# KiCad board mainboard.kicad_pcb (continued)
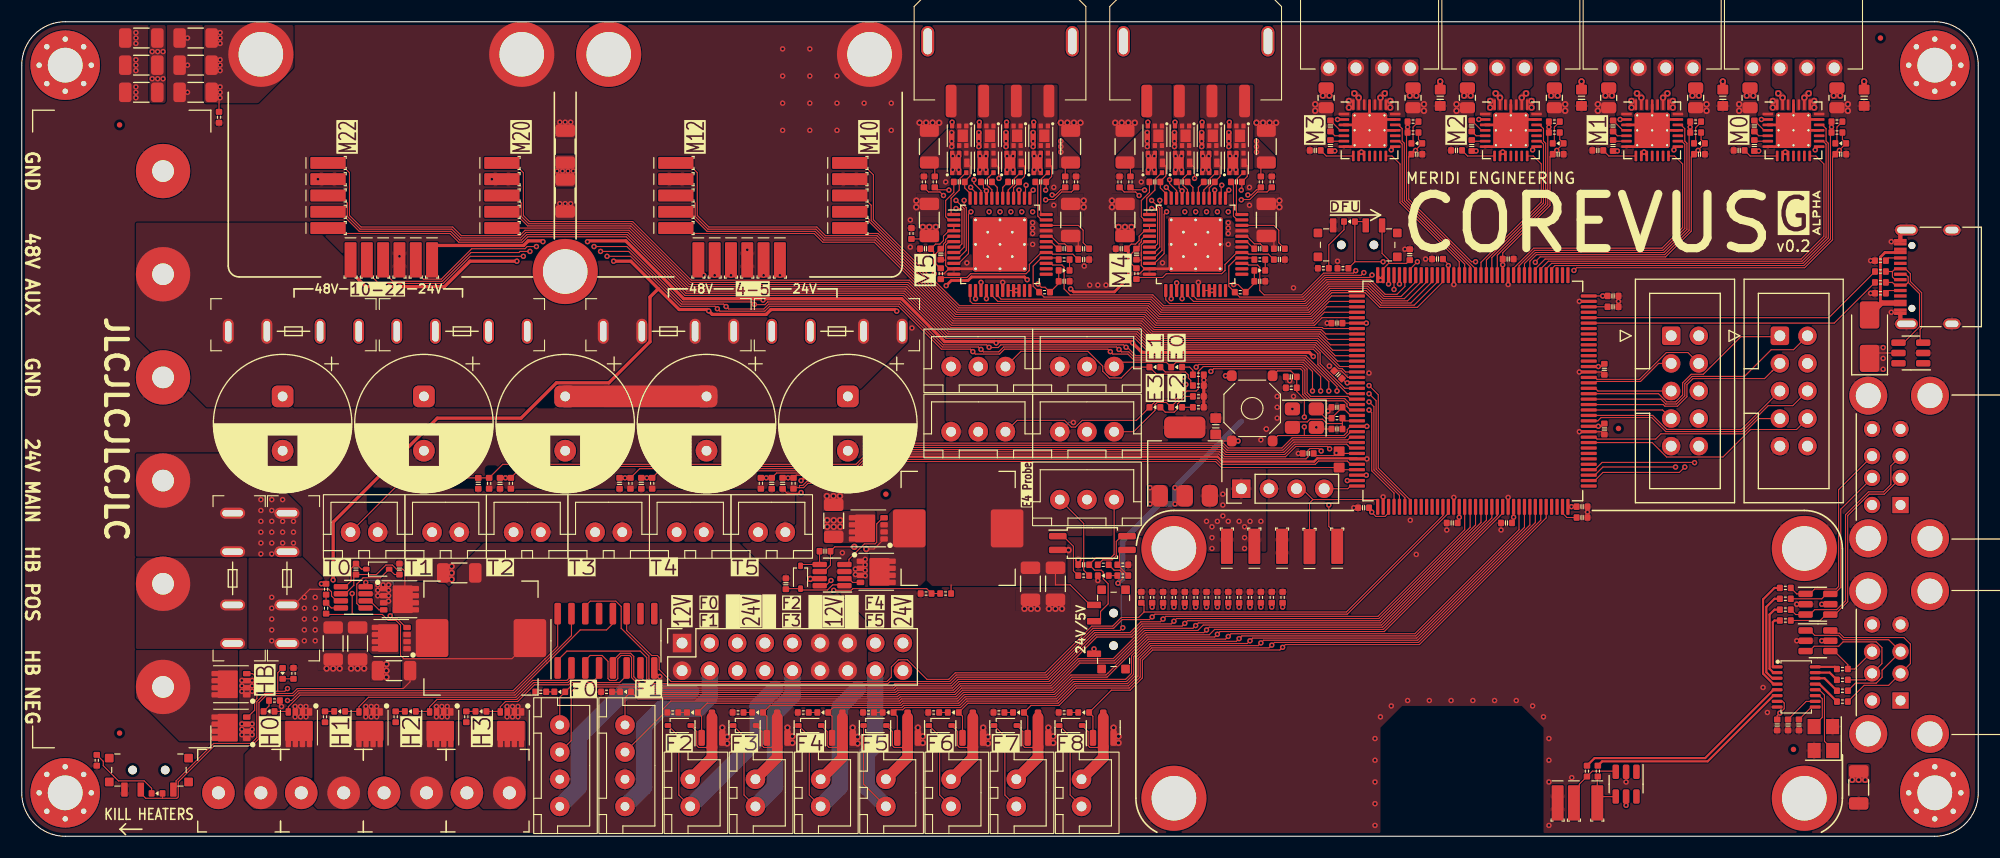
[diagram p0: board, top side]
## Footprints (pads in the part's own frame, mm; a bottom-side part is the same pattern mirrored in y, then rotated)
0402C
  rrect 0.55x0.6 smd: 1(-0.5,0) 2(0.5,0)
0402LED
  rrect 0.55x0.6 smd: 1(-0.5,0) 2(0.5,0)
0402R
  rrect 0.55x0.6 smd: 1(-0.5,0) 2(0.5,0)
0603
  rrect 0.9x1 smd: 1(-0.75,0) 2(0.75,0)
0603C
  rrect 0.9x1 smd: 1(-0.75,0) 2(0.75,0)
C_1206_3216Metric
  rrect 1.15x1.8 smd: 1(-1.475,0) 2(1.475,0)
CJiang_FXL1040
  rrect 3x3.5 smd: 1(-4.5,0) 2(4.5,0)
CP_Radial_D12.5mm_P5.00mm
  rrect 2x2 hole 0.9: 1(0,2.5)
  round 2 hole 0.9: 2(0,-2.5)
Crystal_SMD_3225-4Pin_3.2x2.5mm
  rect 1.4x1.2 smd: 1(-1.1,-0.85) 2(1.1,-0.85) 3(1.1,0.85) 4(-1.1,0.85)
Crystal_SMD_3225-4Pin_3.2x2.5mm#2
  rrect 1.4x1.2 smd: 1(-1.1,-0.85) 2(1.1,-0.85) 3(1.1,0.85) 4(-1.1,0.85)
D_SMA
  rrect 2.5x1.8 smd: 1(-2,0) 2(2,0)
D_SOD-323
  rrect 0.6x0.45 smd: 1(-1.05,0) 2(1.05,0)
DB125-3.81-2P
  round 3 hole 1.2: 1(-1.905,0) 2(2,0)
DBT50G-9.5-6P
  round 5 hole 2: 1(-23.75,0) 2(-14.25,0) 3(-4.75,0) 4(4.75,0) 5(14.25,0) 6(23.75,0)
DMT6016LFDF
  rrect 0.4x0.45 smd: 1(-0.65,-0.9) 2(0,-0.9) 3(0.65,-0.9) 4(0.65,0.9) 5(0,0.9) 6(-0.65,0.9)
  rrect 0.5x0.8 smd: 7(0.7,0)
  rrect 0.95x1.15 smd: 8(-0.325,0)
Fiducial_0.5mm_Mask1mm
  round 0.5 smd: (0,0)
IDC-Header_2x05_P2.54mm_Vertical
  rrect 1.7x1.7 hole 1: 1(0,0)
  round 1.7 hole 1: 2(2.54,0) 3(0,-2.54) 4(2.54,-2.54) 5(0,-5.08) 6(2.54,-5.08) 7(0,-7.62) 8(2.54,-7.62) 9(0,-10.16) 10(2.54,-10.16)
JST_XH_1x02
  oval 1.8x1.8 hole 0.9: 1(-1.25,0) 2(1.25,0)
JST_XH_1x03
  oval 1.8x1.8 hole 0.9: 1(-2.5,0) 2(0,0) 3(2.5,0)
JST_XH_1x04
  oval 1.8x1.8 hole 0.8: 1(-3.75,0) 2(-1.25,0) 3(1.25,0) 4(3.75,0)
JST_XH_1x04-Side
  round 1.5 hole 1: 1(3.75,0) 2(1.25,0) 3(-1.25,0) 4(-3.75,0)
LGA_Spring
  rrect 0.9x1.4 smd: (0,-0.25) (0,-1.9)
  rrect 1.1x3.25 smd: 1(0,-0.25)
LQFP-144_20x20mm_P0.5mm
  rrect 1.475x0.3 smd: 1(-10.662,8.75) 2(-10.662,8.25) 3(-10.662,7.75) 4(-10.662,7.25) 5(-10.662,6.75) 6(-10.662,6.25) 7(-10.662,5.75) 8(-10.662,5.25) 9(-10.662,4.75) 10(-10.662,4.25) 11(-10.662,3.75) 12(-10.662,3.25) 13(-10.662,2.75) 14(-10.662,2.25) 15(-10.662,1.75) 16(-10.662,1.25) 17(-10.662,0.75) 18(-10.662,0.25) 19(-10.662,-0.25) 20(-10.662,-0.75) 21(-10.662,-1.25) 22(-10.662,-1.75) 23(-10.662,-2.25) 24(-10.662,-2.75) 25(-10.662,-3.25) 26(-10.662,-3.75) 27(-10.662,-4.25) 28(-10.662,-4.75) 29(-10.662,-5.25) 30(-10.662,-5.75) 31(-10.662,-6.25) 32(-10.662,-6.75) 33(-10.662,-7.25) 34(-10.662,-7.75) 35(-10.662,-8.25) 36(-10.662,-8.75) 73(10.662,-8.75) 74(10.662,-8.25) 75(10.662,-7.75) 76(10.662,-7.25) 77(10.662,-6.75) 78(10.662,-6.25) 79(10.662,-5.75) 80(10.662,-5.25) 81(10.662,-4.75) 82(10.662,-4.25) 83(10.662,-3.75) 84(10.662,-3.25) 85(10.662,-2.75) 86(10.662,-2.25) 87(10.662,-1.75) 88(10.662,-1.25) 89(10.662,-0.75) 90(10.662,-0.25) 91(10.662,0.25) 92(10.662,0.75) 93(10.662,1.25) 94(10.662,1.75) 95(10.662,2.25) 96(10.662,2.75) 97(10.662,3.25) 98(10.662,3.75) 99(10.662,4.25) 100(10.662,4.75) 101(10.662,5.25) 102(10.662,5.75) 103(10.662,6.25) 104(10.662,6.75) 105(10.662,7.25) 106(10.662,7.75) 107(10.662,8.25) 108(10.662,8.75)
  rrect 0.3x1.475 smd: 37(-8.75,-10.662) 38(-8.25,-10.662) 39(-7.75,-10.662) 40(-7.25,-10.662) 41(-6.75,-10.662) 42(-6.25,-10.662) 43(-5.75,-10.662) 44(-5.25,-10.662) 45(-4.75,-10.662) 46(-4.25,-10.662) 47(-3.75,-10.662) 48(-3.25,-10.662) 49(-2.75,-10.662) 50(-2.25,-10.662) 51(-1.75,-10.662) 52(-1.25,-10.662) 53(-0.75,-10.662) 54(-0.25,-10.662) 55(0.25,-10.662) 56(0.75,-10.662) 57(1.25,-10.662) 58(1.75,-10.662) 59(2.25,-10.662) 60(2.75,-10.662) 61(3.25,-10.662) 62(3.75,-10.662) 63(4.25,-10.662) 64(4.75,-10.662) 65(5.25,-10.662) 66(5.75,-10.662) 67(6.25,-10.662) 68(6.75,-10.662) 69(7.25,-10.662) 70(7.75,-10.662) 71(8.25,-10.662) 72(8.75,-10.662) 109(8.75,10.662) 110(8.25,10.662) 111(7.75,10.662) 112(7.25,10.662) 113(6.75,10.662) 114(6.25,10.662) 115(5.75,10.662) 116(5.25,10.662) 117(4.75,10.662) 118(4.25,10.662) 119(3.75,10.662) 120(3.25,10.662) 121(2.75,10.662) 122(2.25,10.662) 123(1.75,10.662) 124(1.25,10.662) 125(0.75,10.662) 126(0.25,10.662) 127(-0.25,10.662) 128(-0.75,10.662) 129(-1.25,10.662) 130(-1.75,10.662) 131(-2.25,10.662) 132(-2.75,10.662) 133(-3.25,10.662) 134(-3.75,10.662) 135(-4.25,10.662) 136(-4.75,10.662) 137(-5.25,10.662) 138(-5.75,10.662) 139(-6.25,10.662) 140(-6.75,10.662) 141(-7.25,10.662) 142(-7.75,10.662) 143(-8.25,10.662) 144(-8.75,10.662)
M3_M2.5_PCB_Nut
  round 4.6 hole 4.1: 1(0,0)
  round 6 smd: 1(0,0)
MOSFET_DFN8
  rrect 0.5x0.7 smd: 1(-0.975,-1.45) 2(-0.325,-1.45) 3(0.325,-1.45) 4(0.975,-1.45) 5(0.975,1.45) 6(0.325,1.45) 7(-0.325,1.45) 8(-0.975,1.45)
  rrect 2.55x1.85 smd: 8(0,0.3)
MountingHole_3.2mm_M3_Pad_Via
  round 0.8 hole 0.5: 1(-2.4,0) 1(-1.697,1.697) 1(-1.697,-1.697) 1(0,2.4) 1(0,-2.4) 1(1.697,1.697) 1(1.697,-1.697) 1(2.4,0)
  round 6.4 hole 3.2: 1(0,0)
MSS12C02-LS
  rrect 0.8x0.8 smd: (-3.65,1.1) (-3.65,-1.1) (3.65,1.1) (3.65,-1.1)
  round 0.9 hole 0.8 unplated: (-1.5,0) (1.5,0)
  rrect 0.6x1.3 smd: 1(-2.25,1.8) 2(0.75,1.8) 3(2.25,1.8)
NetTie-2_SMD_Pad0.1mm
  round 0.1 smd: 1(-0.1,0) 2(0.1,0)
PinHeader_1x04_P2.54mm_Vertical
  rect 1.7x1.7 hole 1: 1(0,0)
  oval 1.7x1.7 hole 1: 2(0,-2.54) 3(0,-5.08) 4(0,-7.62)
PinSocket_2x09_P2.54mm_Vertical
  rect 1.7x1.7 hole 1: 1(0,0)
  oval 1.7x1.7 hole 1: 2(-2.54,0) 3(0,-2.54) 4(-2.54,-2.54) 5(0,-5.08) 6(-2.54,-5.08) 7(0,-7.62) 8(-2.54,-7.62) 9(0,-10.16) 10(-2.54,-10.16) 11(0,-12.7) 12(-2.54,-12.7) 13(0,-15.24) 14(-2.54,-15.24) 15(0,-17.78) 16(-2.54,-17.78) 17(0,-20.32) 18(-2.54,-20.32)
R_0805_2012Metric
  rrect 1.025x1.4 smd: 1(-0.912,0) 2(0.912,0)
R_1206_3216Metric
  rrect 1.125x1.75 smd: 1(-1.462,0) 2(1.462,0)
SL2.1S
  rrect 0.3x1 smd: 1(-1.85,-1.75) 2(-1.32,-1.75) 3(-0.8,-1.75) 4(-0.26,-1.75) 5(0.26,-1.75) 6(0.8,-1.75) 7(1.33,-1.75) 8(1.85,-1.75) 9(1.85,1.75) 10(1.33,1.75) 11(0.8,1.75) 12(0.26,1.75) 13(-0.26,1.75) 14(-0.8,1.75) 15(-1.32,1.75) 16(-1.85,1.75)
SOP-4_4.4x2.6mm_P1.27mm
  rrect 1.625x0.6 smd: 1(-3.188,0.635) 2(-3.188,-0.635) 3(3.188,-0.635) 4(3.188,0.635)
SOP-16_3.9x9.9mm_P1.27mm
  rrect 2x0.6 smd: 1(-2.5,4.445) 2(-2.5,3.175) 3(-2.5,1.905) 4(-2.5,0.635) 5(-2.5,-0.635) 6(-2.5,-1.905) 7(-2.5,-3.175) 8(-2.5,-4.445) 9(2.5,-4.445) 10(2.5,-3.175) 11(2.5,-1.905) 12(2.5,-0.635) 13(2.5,0.635) 14(2.5,1.905) 15(2.5,3.175) 16(2.5,4.445)
SOT-23
  rrect 1.475x0.6 smd: 1(-0.938,0.95) 2(-0.938,-0.95) 3(0.938,0)
SOT-23-6
  rrect 1.325x0.6 smd: 1(-1.137,0.95) 2(-1.137,0) 3(-1.137,-0.95) 4(1.137,-0.95) 5(1.137,0) 6(1.137,0.95)
SOT-223-3_TabPin2
  rrect 2x1.5 smd: 1(-3.15,2.3) 2(-3.15,0) 3(-3.15,-2.3)
  rrect 2x3.8 smd: 2(3.15,0)
TMC220x
  rrect 1.41x1.41 smd: (-0.81,0.81) (-0.81,-0.81) (0.81,0.81) (0.81,-0.81)
  rrect 0.975x0.25 smd: 1(-2.362,1.5) 2(-2.362,1) 3(-2.362,0.5) 4(-2.362,0) 5(-2.362,-0.5) 6(-2.362,-1) 7(-2.362,-1.5) 15(2.362,-1.5) 16(2.362,-1) 17(2.362,-0.5) 18(2.362,0) 19(2.362,0.5) 20(2.362,1) 21(2.362,1.5)
  rrect 0.25x0.975 smd: 8(-1.5,-2.362) 9(-1,-2.362) 10(-0.5,-2.362) 11(0,-2.362) 12(0.5,-2.362) 13(1,-2.362) 14(1.5,-2.362) 22(1.5,2.362) 23(1,2.362) 24(0.5,2.362) 25(0,2.362) 26(-0.5,2.362) 27(-1,2.362) 28(-1.5,2.362)
  round 0.5 hole 0.2: 29(-1.375,1.375) 29(-1.375,0) 29(-1.375,-1.375) 29(0,1.375) 29(0,0) 29(0,-1.375) 29(1.375,1.375) 29(1.375,0) 29(1.375,-1.375)
  rrect 3.25x3.25 smd: 29(0,0)
TMCx160
  custom 1.008x1.008 smd: (-1.688,1.688) (-1.688,0.562) (-1.688,-0.562) (-1.688,-1.688) (-0.562,1.688) (-0.562,0.562) (-0.562,-0.562) (-0.562,-1.688) (0.562,1.688) (0.562,0.562) (0.562,-0.562) (0.562,-1.688) (1.688,1.688) (1.688,0.562) (1.688,-0.562) (1.688,-1.688)
  rrect 1.2x0.3 smd: 1(-4.25,2.75) 2(-4.25,2.25) 3(-4.25,1.75) 4(-4.25,1.25) 5(-4.25,0.75) 6(-4.25,0.25) 7(-4.25,-0.25) 8(-4.25,-0.75) 9(-4.25,-1.25) 10(-4.25,-1.75) 11(-4.25,-2.25) 12(-4.25,-2.75) 25(4.25,-2.75) 26(4.25,-2.25) 27(4.25,-1.75) 28(4.25,-1.25) 29(4.25,-0.75) 30(4.25,-0.25) 31(4.25,0.25) 32(4.25,0.75) 33(4.25,1.25) 34(4.25,1.75) 35(4.25,2.25) 36(4.25,2.75)
  rrect 0.3x1.2 smd: 13(-2.75,-4.25) 14(-2.25,-4.25) 15(-1.75,-4.25) 16(-1.25,-4.25) 17(-0.75,-4.25) 18(-0.25,-4.25) 19(0.25,-4.25) 20(0.75,-4.25) 21(1.25,-4.25) 22(1.75,-4.25) 23(2.25,-4.25) 24(2.75,-4.25) 37(2.75,4.25) 38(2.25,4.25) 39(1.75,4.25) 40(1.25,4.25) 41(0.75,4.25) 42(0.25,4.25) 43(-0.25,4.25) 44(-0.75,4.25) 45(-1.25,4.25) 46(-1.75,4.25) 47(-2.25,4.25) 48(-2.75,4.25)
  round 0.5 hole 0.25: 49(-2.25,2.25) 49(-2.25,0) 49(-2.25,-2.25) 49(-1.125,1.125) 49(-1.125,-1.125) 49(0,2.25) 49(0,0) 49(0,-2.25) 49(1.125,1.125) 49(1.125,-1.125) 49(2.25,2.25) 49(2.25,0) 49(2.25,-2.25)
  rrect 5x5 smd: 49(0,0)
TSOT-23-8
  rrect 1.325x0.5 smd: 1(-1.137,0.975) 2(-1.137,0.325) 3(-1.137,-0.325) 4(-1.137,-0.975) 5(1.137,-0.975) 6(1.137,-0.325) 7(1.137,0.325) 8(1.137,0.975)
USB_Type-A_x2
  rect 1.5x1.5 hole 0.92: 1(3.5,2.62)
  round 1.5 hole 0.92: 2(1,2.62) 3(-1,2.62) 4(-3.5,2.62) 5(3.5,0) 6(1,0) 7(-1,0) 8(-3.5,0)
  round 3.5 hole 2.3: 9(-6.57,5.33) 9(-6.57,-0.35) 9(6.57,5.33) 9(6.57,-0.35)
USB_Type-C_16p
  round 0.65 hole 0.65 unplated: (-2.89,2.605) (2.89,2.605)
  rect 0.3x1.15 smd: A1(-3.35,3.67) A4(-2.55,3.67) A5(-1.25,3.67) A6(-0.25,3.67) A7(0.25,3.67) A8(1.25,3.67) A9(2.55,3.67) A12(3.35,3.67) B1(3.05,3.67) B4(2.25,3.67) B5(1.75,3.67) B6(0.75,3.67) B7(-0.75,3.67) B8(-1.75,3.67) B9(-2.25,3.67) B12(-3.05,3.67)
  oval 1x2.1 hole 0.6x1.7: S1(-4.32,3.105) S1(4.32,3.105)
  oval 1x1.6 hole 0.6x1.2: S1(-4.32,-1.075) S1(4.32,-1.075)
XF-505P
  oval 1x2.3 hole 0.6x1.9: 1(-6,0) 1(-2.45,0) 2(2.45,0) 2(6,0)
XKB_TS-1187A
  rrect 1x0.9 smd: 1(-3,1.875) 1(3,1.875) 2(-3,-1.875) 2(3,-1.875)
XKB_X3025WRS-04C
  rrect 1x3 smd: 1(-4.5,-5.5) 2(-1.5,-5.5) 3(1.5,-5.5) 4(4.5,-5.5)
  oval 1.2x2.8 hole 0.8x2.4: 5(6.65,0) 6(-6.65,0)

## Nets
+3.3V: C11.1 C15.1 C18.1 C23.1 C28.1 C33.1 C41.2 C44.1 C46.1 C53.1 C56.2 C59.1 C61.1 C79.1 C80.1 C81.1 C82.1 C83.1 C84.1 C85.1 D19.2 D20.2 D21.2 D22.2 D23.2 D24.2 FB1.1 J4.3 J5.3 J6.3 J15.3 R12.2 R19.1 R25.2 R52.2 R55.2 R97.1 R100.1 R102.1 R104.2 R105.1 R106.1 R107.1 SW1.3 T6.1 T22.1 U1.6 U1.17 U1.30 U1.39 U1.52 U1.62 U1.72 U1.84 U1.95 U1.108 U1.121 U1.131 U1.143 U1.144 U6.2 U7.9 U7.10 U7.15 U8.9 U8.10 U8.15 U9.9 U9.10 U9.15 U10.9 U10.10 U10.15 U11.20 U11.21 U11.22 U12.20 U12.21 U12.22 U14.1
+5V: C96.1 C97.1 C98.1 C99.1 D3.1 J13.10 J24.1 J26.1 J26.5 J27.1 J27.5 J28.10 L2.2 R95.2 SW2.3 T33.1 T34.1 U2.5 U3.5 U4.5 U6.3 U13.7 U16.5
+12V: C45.2 C60.2 C90.1 C91.1 J36.1 J36.2 J36.11 J36.12 J36.13 J36.14 L1.2 R93.2 SW9.1 T1.1 T17.1 U11.3 U11.4 U12.3 U12.4
+24V: C12.1 C20.2 C22.2 C25.2 C27.2 C30.2 C32.2 C35.2 C37.2 C86.1 C87.1 C92.1 D38.1 D39.1 D41.1 F6.2 J20.1 J21.1 J22.1 J23.1 J33.1 J34.1 J35.1 J36.5 J36.6 J36.7 J36.8 J36.17 J36.18 Q35.5 Q35.6 Q35.7 Q35.8 Q37.5 Q37.6 Q37.7 Q37.8 SW2.1 U5.7 U7.22 U7.28 U8.22 U8.28 U9.22 U9.28 U10.22 U10.28 U15.7
GND: C1.1 C2.1 C3.2 C4.2 C5.2 C11.2 C12.2 C13.2 C14.2 C15.2 C16.2 C17.2 C18.2 C19.1 C22.1 C23.2 C24.1 C27.1 C28.2 C29.1 C32.1 C33.2 C34.1 C37.1 C38.2 C41.1 C42.1 C43.1 C44.2 C45.1 C46.2 C51.2 C52.2 C53.2 C56.1 C57.1 C58.1 C59.2 C60.1 C61.2 C66.2 C67.2 C68.2 C69.2 C70.2 C71.2 C72.2 C73.2 C74.2 C75.2 C76.2 C79.2 C80.2 C81.2 C82.2 C83.2 C84.2 C85.2 C86.2 C87.2 C88.2 C90.2 C91.2 C92.2 C93.2 C94.2 C96.2 C97.2 C98.2 C99.2 D49.1 H6.1 H8.1 H9.1 H10.1 H11.1 H12.1 J1.A1 J1.A12 J1.B1 J1.B12 J1.S1 J2.2 J3.1 J3.3 J4.2 J5.2 J6.2 J13.9 J14.2 J15.2 J16.2 J24.2 J26.4 J26.8 J26.9 J27.4 J27.8 J27.9 J28.9 NT1.1 OC1.2 Q1.1 Q1.2 Q1.3 Q2.1 Q2.2 Q2.3 Q22.2 Q23.1 Q23.2 Q23.3 Q24.1 Q24.2 Q24.3 Q25.1 Q25.2 Q25.3 Q26.1 Q26.2 Q26.3 Q27.2 Q28.2 Q29.2 Q30.2 Q31.2 Q32.2 Q34.1 Q34.2 Q34.3 Q36.1 Q36.2 Q36.3 R1.2 R2.1 R6.1 R7.1 R8.2 R9.2 R11.2 R13.2 R14.2 R20.2 R21.2 R23.2 R24.2 R26.2 R27.2 R29.2 R30.2 R31.2 R34.1 R35.2 R37.1 R38.2 R39.2 R42.1 R43.2 R45.1 R46.2 R47.2 R48.2 R49.2 R50.2 R53.1 R54.2 R57.2 R58.2 R59.2 R60.2 R61.2 R62.2 R63.2 R64.2 R65.2 R66.2 R67.2 R68.2 R71.2 R72.2 R73.2 R74.2 R83.2 R84.2 R85.2 R92.2 R94.2 SW1.1 SW3.1 SW9.3 T3.1 T9.1 T10.1 T19.1 T25.1 T26.1 T35.1 T44.1 U1.16 U1.38 U1.51 U1.61 U1.83 U1.94 U1.107 U1.120 U1.130 U2.2 U3.2 U4.2 U5.3 U6.1 U7.3 U7.7 U7.18 U7.20 U7.25 U7.29 U8.3 U8.7 U8.18 U8.20 U8.25 U8.29 U9.3 U9.7 U9.18 U9.20 U9.25 U9.29 U10.3 U10.7 U10.18 U10.20 U10.25 U10.29 U11.6 U11.11 U11.12 U11.19 U11.30 U11.49 U12.6 U12.11 U12.12 U12.19 U12.30 U12.49 U13.8 U14.8 U15.3 U16.2 Y1.2 Y1.4 Y2.2 Y2.4
VDDA: FB1.2 NT2.1 R15.2 R16.2 R17.2 R18.2 R51.2 R56.2 U1.33
VSSA: C6.1 C7.1 C8.1 C9.1 C77.1 C78.1 J7.1 J8.1 J9.1 J10.1 J11.1 J12.1 NT1.2 U1.31
/_{M0}Dir: U1.113 U7.19
/_{M0}Step: U1.114 U7.16
/_{M0}UART: U1.115 U7.14
/_{M0}~{En}: R22.2 R97.2 U1.112 U7.2
/_{M1}Dir: U1.117 U8.19
/_{M1}Step: U1.118 U8.16
/_{M1}UART: U1.119 U8.14
/_{M1}~{En}: R28.2 R100.2 U1.116 U8.2
/_{M2}Dir: U1.123 U9.19
/_{M2}Step: U1.124 U9.16
/_{M2}UART: U1.125 U9.14
/_{M2}~{En}: R101.2 R102.2 U1.122 U9.2
/_{M3}Dir: U1.127 U10.19
/_{M3}Step: U1.128 U10.16
/_{M3}UART: U1.129 U10.14
/_{M3}~{En}: R103.2 R105.2 U1.126 U10.2
/_{M4}Diag1: U1.140 U11.27
/_{M4}Dir: U1.142 U11.18
/_{M4}Step: U1.139 U11.17
/_{M4}~{CS}: U1.137 U11.13
/_{M4}~{En}: R98.2 R106.2 U1.141 U11.28
/_{M5}Diag1: U1.136 U12.27
/_{M5}Dir: U1.134 U12.18
/_{M5}Step: U1.133 U12.17
/_{M5}~{CS}: U1.132 U12.13
/_{M5}~{En}: R99.2 R107.2 U1.135 U12.28
/_{M10}Dir: T14.1 U1.2
/_{M10}Step: T12.1 U1.1
/_{M10}~{CS}: T8.1 U1.4
/_{M10}~{En}: T16.1 U1.3
/_{M12}Dir: T13.1 U1.7
/_{M12}Step: T11.1 U1.5
/_{M12}~{CS}: T7.1 U1.9
/_{M12}~{En}: T15.1 U1.8
/_{M20}Dir: T30.1 U1.11
/_{M20}Step: T28.1 U1.10
/_{M20}~{CS}: T24.1 U1.13
/_{M20}~{En}: T32.1 U1.12
/_{M22}Dir: T29.1 U1.15
/_{M22}Step: T27.1 U1.14
/_{M22}~{CS}: T23.1 U1.19
/_{M22}~{En}: T31.1 U1.18
/Bed_H+: F3.2 J3.5
/Bed_H-: J3.6 Q1.5 Q1.6 Q1.7 Q1.8 Q2.5 Q2.6 Q2.7 Q2.8
/BOOT0: D1.2 R1.1 SW1.2 U1.138
/Btn_En1: J28.5 U1.91
/Btn_En2: J28.3 U1.92
/Btn_Enc: J13.2 U1.89
/Buzzer: J13.1 U1.90
/E0: D6.1 J4.1 U1.40
/E1: D7.1 J5.1 U1.20
/E2: D8.1 J6.1 U1.21
/E3: D25.1 J15.1 U1.22
/F0: D5.2 J14.4 R67.1 U1.56
/F0_FG: J14.3 U1.57
/F0_V+: J14.1 J36.3
/F1: D26.2 J16.4 R68.1 U1.58
/F1_FG: J16.3 U1.59
/F1_V+: J16.1 J36.4
/F2_Gate: D28.2 Q22.1 R71.1 U1.60
/F2_V+: D30.1 J17.1 J36.9
/F3_Gate: D29.2 Q27.1 R72.1 U1.63
/F3_V+: D31.1 J18.1 J36.10
/F4_Gate: D32.2 Q28.1 R73.1 U1.64
/F4_V+: D36.1 J19.1 J36.15
/F5_Gate: D33.2 Q29.1 R74.1 U1.65
/F5_V+: D37.1 J32.1 J36.16
/F6_Gate: D34.2 Q30.1 R83.1 U1.66
/F7_Gate: D35.2 Q31.1 R84.1 U1.67
/F8_Gate: D40.2 Q32.1 R85.1 U1.68
/H0: R64.1 U1.49 U14.11
/H0_Gate: D10.2 Q24.4 U14.12
/H1: R14.1 U1.55 U14.3
/H1_Gate: D9.2 Q23.4 U14.2
/H2: R60.1 U1.54 U14.5
/H2_Gate: D11.2 Q25.4 U14.4
/H3: R62.1 U1.53 U14.7
/H3_Gate: D12.2 Q26.4 U14.6
/HB: R66.1 U1.50 U14.14
/HB_Gate: D2.2 Q1.4 Q2.4 U14.15
/LCD_D4: J13.5 U1.86
/LCD_D5: J13.6 U1.85
/LCD_D6: J13.7 U1.82
/LCD_D7: J13.8 U1.81
/LCD_En: J13.3 U1.88
/LCD_Rs: J13.4
/Motor 0 (TMC2208)/A1: M1.2 U7.24
/Motor 0 (TMC2208)/A2: M1.1 U7.21
/Motor 0 (TMC2208)/B1: M1.3 U7.26
/Motor 0 (TMC2208)/B2: M1.4 U7.1
/Motor 0 (TMC2208)/BRA: R20.1 U7.23
/Motor 0 (TMC2208)/BRB: R21.1 U7.27
/Motor 0 (TMC2208)/Clk: U7.13
/Motor 0 (TMC2208)/Diag: U7.11
/Motor 0 (TMC2208)/Index: U7.12
/Motor 0 (TMC2208)/VRef: U7.17
/Motor 1 (TMC2208)/A1: M2.2 U8.24
/Motor 1 (TMC2208)/A2: M2.1 U8.21
/Motor 1 (TMC2208)/B1: M2.3 U8.26
/Motor 1 (TMC2208)/B2: M2.4 U8.1
/Motor 1 (TMC2208)/BRA: R23.1 U8.23
/Motor 1 (TMC2208)/BRB: R24.1 U8.27
/Motor 1 (TMC2208)/Clk: U8.13
/Motor 1 (TMC2208)/Diag: U8.11
/Motor 1 (TMC2208)/Index: U8.12
/Motor 1 (TMC2208)/VRef: U8.17
/Motor 2 (TMC2208)/A1: M3.2 U9.24
/Motor 2 (TMC2208)/A2: M3.1 U9.21
/Motor 2 (TMC2208)/B1: M3.3 U9.26
/Motor 2 (TMC2208)/B2: M3.4 U9.1
/Motor 2 (TMC2208)/BRA: R26.1 U9.23
/Motor 2 (TMC2208)/BRB: R27.1 U9.27
/Motor 2 (TMC2208)/Clk: U9.13
/Motor 2 (TMC2208)/Diag: U9.11
/Motor 2 (TMC2208)/Index: U9.12
/Motor 2 (TMC2208)/VRef: U9.17
/Motor 3 (TMC2208)/A1: M4.2 U10.24
/Motor 3 (TMC2208)/A2: M4.1 U10.21
/Motor 3 (TMC2208)/B1: M4.3 U10.26
/Motor 3 (TMC2208)/B2: M4.4 U10.1
/Motor 3 (TMC2208)/BRA: R29.1 U10.23
/Motor 3 (TMC2208)/BRB: R30.1 U10.27
/Motor 3 (TMC2208)/Clk: U10.13
/Motor 3 (TMC2208)/Diag: U10.11
/Motor 3 (TMC2208)/Index: U10.12
/Motor 3 (TMC2208)/VRef: U10.17
/Motor 4 (TMCx160)/CA1: C47.1 U11.42
/Motor 4 (TMCx160)/CA2: C49.2 U11.35
/Motor 4 (TMCx160)/CB1: C48.1 U11.2
/Motor 4 (TMCx160)/CB2: C50.2 U11.43
/Motor 4 (TMCx160)/Diag0: U11.26
/Motor 4 (TMCx160)/ENCA: U11.24
/Motor 4 (TMCx160)/ENCB: U11.23
/Motor 4 (TMCx160)/ENCN: U11.25
/Motor 4 (TMCx160)/HA1: Q6.3 U11.41
/Motor 4 (TMCx160)/HA2: Q4.3 U11.36
/Motor 4 (TMCx160)/HB1: Q10.3 U11.1
/Motor 4 (TMCx160)/HB2: Q8.3 U11.44
/Motor 4 (TMCx160)/LA1: Q7.3 U11.39
/Motor 4 (TMCx160)/LA2: Q5.3 U11.38
/Motor 4 (TMCx160)/LB1: Q11.3 U11.47
/Motor 4 (TMCx160)/LB2: Q9.3 U11.46
/Motor 4 (TMCx160)/Motor_A1: C47.2 M5.3 Q6.4 Q6.7 Q7.1 Q7.2 Q7.5 Q7.6 Q7.8 U11.40
/Motor 4 (TMCx160)/Motor_A2: C49.1 M5.4 Q4.4 Q4.7 Q5.1 Q5.2 Q5.5 Q5.6 Q5.8 U11.37
/Motor 4 (TMCx160)/Motor_B1: C48.2 M5.1 Q10.4 Q10.7 Q11.1 Q11.2 Q11.5 Q11.6 Q11.8 U11.48
/Motor 4 (TMCx160)/Motor_B2: C50.1 M5.2 Q8.4 Q8.7 Q9.1 Q9.2 Q9.5 Q9.6 Q9.8 U11.45
/Motor 4 (TMCx160)/SRAH: R33.2 U11.8
/Motor 4 (TMCx160)/SRAL: R34.2 U11.7
/Motor 4 (TMCx160)/SRBH: R36.2 U11.9
/Motor 4 (TMCx160)/SRBL: R37.2 U11.10
/Motor 5 (TMCx160)/CA1: C62.1 U12.42
/Motor 5 (TMCx160)/CA2: C64.2 U12.35
/Motor 5 (TMCx160)/CB1: C63.1 U12.2
/Motor 5 (TMCx160)/CB2: C65.2 U12.43
/Motor 5 (TMCx160)/Diag0: U12.26
/Motor 5 (TMCx160)/ENCA: U12.24
/Motor 5 (TMCx160)/ENCB: U12.23
/Motor 5 (TMCx160)/ENCN: U12.25
/Motor 5 (TMCx160)/HA1: Q14.3 U12.41
/Motor 5 (TMCx160)/HA2: Q12.3 U12.36
/Motor 5 (TMCx160)/HB1: Q18.3 U12.1
/Motor 5 (TMCx160)/HB2: Q16.3 U12.44
/Motor 5 (TMCx160)/LA1: Q15.3 U12.39
/Motor 5 (TMCx160)/LA2: Q13.3 U12.38
/Motor 5 (TMCx160)/LB1: Q19.3 U12.47
/Motor 5 (TMCx160)/LB2: Q17.3 U12.46
/Motor 5 (TMCx160)/Motor_A1: C62.2 M6.3 Q14.4 Q14.7 Q15.1 Q15.2 Q15.5 Q15.6 Q15.8 U12.40
/Motor 5 (TMCx160)/Motor_A2: C64.1 M6.4 Q12.4 Q12.7 Q13.1 Q13.2 Q13.5 Q13.6 Q13.8 U12.37
/Motor 5 (TMCx160)/Motor_B1: C63.2 M6.1 Q18.4 Q18.7 Q19.1 Q19.2 Q19.5 Q19.6 Q19.8 U12.48
/Motor 5 (TMCx160)/Motor_B2: C65.1 M6.2 Q16.4 Q16.7 Q17.1 Q17.2 Q17.5 Q17.6 Q17.8 U12.45
/Motor 5 (TMCx160)/SRAH: R41.2 U12.8
/Motor 5 (TMCx160)/SRAL: R42.2 U12.7
/Motor 5 (TMCx160)/SRBH: R44.2 U12.9
/Motor 5 (TMCx160)/SRBL: R45.2 U12.10
/Pi Zero + USB Hub/D1+: R75.2 U13.4
/Pi Zero + USB Hub/D1+': J26.7 R75.1 U2.1
/Pi Zero + USB Hub/D1-: R76.2 U13.3
/Pi Zero + USB Hub/D1-': J26.6 R76.1 U2.6
/Pi Zero + USB Hub/D2+: R77.2 U13.2
/Pi Zero + USB Hub/D2+': J26.3 R77.1 U2.3
/Pi Zero + USB Hub/D2-: R78.2 U13.1
/Pi Zero + USB Hub/D2-': J26.2 R78.1 U2.4
/Pi Zero + USB Hub/D3+: R79.2 U13.16
/Pi Zero + USB Hub/D3+': J27.7 R79.1 U3.4
/Pi Zero + USB Hub/D3-: R80.2 U13.15
/Pi Zero + USB Hub/D3-': J27.6 R80.1 U3.3
/Pi Zero + USB Hub/D4+: R81.2 U13.14
/Pi Zero + USB Hub/D4+': J27.3 R81.1 U3.1
/Pi Zero + USB Hub/D4-: R82.2 U13.13
/Pi Zero + USB Hub/D4-': J27.2 R82.1 U3.6
/Pi Zero + USB Hub/DU+: R69.1 U13.6
/Pi Zero + USB Hub/DU+': R69.2 T45.1 U4.4
/Pi Zero + USB Hub/DU-: R70.1 U13.5
/Pi Zero + USB Hub/DU-': R70.2 T46.1 U4.3
/Probe: OC1.3 R11.1 R96.2
/SD_CS: J28.4 U1.93
/SD_Det: J28.7 U1.87
/SPI1_MISO: T5.1 T21.1 U1.42 U11.16 U12.16
/SPI1_MOSI: T4.1 T20.1 U1.43 U11.15 U12.15
/SPI1_SCK: T2.1 T18.1 U1.41 U11.14 U12.14
/SPI2_MISO: J28.1 U1.75
/SPI2_MOSI: J28.6 U1.76
/SPI2_SCK: J28.2 U1.74
/T0: C6.2 J8.2 R15.1 U1.26
/T1: C7.2 J7.2 R16.1 U1.27
/T2: C8.2 J9.2 R17.1 U1.28
/T3: C9.2 J10.2 R18.1 U1.29
/T4: C77.2 J11.2 R51.1 U1.34
/T5: C78.2 J12.2 R56.1 U1.35
/USART2_RX: J24.3 T36.1 U1.37
/USART2_TX: J24.4 T37.1 U1.36
/~{Reset}: J28.8
VMB: C13.1 C14.1 C39.2 C51.1 C52.1 C54.2 C66.1 C67.1 F4.2 F5.2 Q4.1 Q4.2 Q4.5 Q4.6 Q4.8 Q6.1 Q6.2 Q6.5 Q6.6 Q6.8 Q8.1 Q8.2 Q8.5 Q8.6 Q8.8 Q10.1 Q10.2 Q10.5 Q10.6 Q10.8 Q12.1 Q12.2 Q12.5 Q12.6 Q12.8 Q14.1 Q14.2 Q14.5 Q14.6 Q14.8 Q16.1 Q16.2 Q16.5 Q16.6 Q16.8 Q18.1 Q18.2 Q18.5 Q18.6 Q18.8 R9.1 U11.33 U12.33
VMC: C16.1 C17.1 C68.1 C69.1 C70.1 C71.1 C72.1 C73.1 C74.1 C75.1 F1.2 F2.2 H5.1 H7.1 R8.1
Net-(D1-K): D1.1 R2.2
Net-(D2-K): D2.1 R13.1
Net-(D3-A): D3.2 J1.A4 J1.A9 J1.B4 J1.B9
Net-(D5-K): D5.1 R49.1
Net-(D6-A): D6.2 R52.1
Net-(D7-A): D7.2 R55.1
Net-(D8-A): D8.2 R104.1
Net-(D9-K): D9.1 R59.1
Net-(D10-K): D10.1 R61.1
Net-(D11-K): D11.1 R63.1
Net-(D12-K): D12.1 R65.1
Net-(D18-A): D18.2 SW9.2 U14.16
Net-(D18-K): D18.1 R53.2
Net-(D19-K): D19.1 R98.1
Net-(D20-K): D20.1 R99.1
Net-(D21-K): D21.1 R22.1
Net-(D22-K): D22.1 R28.1
Net-(D23-K): D23.1 R101.1
Net-(D24-K): D24.1 R103.1
Net-(D25-A): D25.2 R25.1
Net-(D26-K): D26.1 R31.1
Net-(D28-K): D28.1 R39.1
Net-(D29-K): D29.1 R47.1
Net-(D30-A): D30.2 J17.2 Q22.3
Net-(D31-A): D31.2 J18.2 Q27.3
Net-(D32-K): D32.1 R48.1
Net-(D33-K): D33.1 R50.1
Net-(D34-K): D34.1 R54.1
Net-(D35-K): D35.1 R57.1
Net-(D36-A): D36.2 J19.2 Q28.3
Net-(D37-A): D37.2 J32.2 Q29.3
Net-(D38-A): D38.2 J33.2 Q30.3
Net-(D39-A): D39.2 J34.2 Q31.3
Net-(D40-K): D40.1 R58.1
Net-(D41-A): D41.2 J35.2 Q32.3
Net-(D46-A): C88.1 D46.2 U15.1
Net-(D46-K): C89.1 D46.1 U15.5
Net-(D48-A): C94.1 D48.2 U5.1
Net-(D48-K): C95.1 D48.1 U5.5
Net-(D49-A): D49.2 R96.1
Net-(J1-CC1): J1.A5 R6.2
Net-(J1-CC2): J1.B5 R7.2
Net-(J2-Pin_1): C5.1 J2.1 SW2.2
Net-(J2-Pin_3): J2.3 R10.1
Net-(J3-Pin_2): F1.1 F4.1 J3.2
Net-(J3-Pin_4): F2.1 F3.1 F5.1 F6.1 J3.4
Net-(J20-Pin_2): J20.2 Q23.5 Q23.6 Q23.7 Q23.8
Net-(J21-Pin_2): J21.2 Q24.5 Q24.6 Q24.7 Q24.8
Net-(J22-Pin_2): J22.2 Q25.5 Q25.6 Q25.7 Q25.8
Net-(J23-Pin_2): J23.2 Q26.5 Q26.6 Q26.7 Q26.8
Net-(OC1-Pad1): OC1.1 R10.2
Net-(OC1-Pad4): OC1.4 R12.1
Net-(Q5-S-Pad4): Q5.4 Q5.7 Q7.4 Q7.7 R33.1 R35.1
Net-(Q11-S-Pad4): Q9.4 Q9.7 Q11.4 Q11.7 R36.1 R38.1
Net-(Q13-S-Pad4): Q13.4 Q13.7 Q15.4 Q15.7 R41.1 R43.1
Net-(Q17-S-Pad4): Q17.4 Q17.7 Q19.4 Q19.7 R44.1 R46.1
Net-(Q34-G): Q34.4 U15.2
Net-(Q35-G): Q35.4 U15.4
Net-(Q36-G): Q36.4 U5.2
Net-(Q37-G): Q37.4 U5.4
Net-(U1-NRST): C38.1 R19.2 SW3.2 U1.25
Net-(U1-PA11): R4.1 U1.103
Net-(U1-PA12): R5.1 U1.104
Net-(U1-PH0): C1.2 R3.1 U1.23 Y1.1
Net-(U1-PH1): C2.2 R3.2 U1.24 Y1.3
Net-(U1-VCAP_1): C4.1 U1.71
Net-(U1-VCAP_2): C3.1 U1.106
Net-(U1-VREF+): NT2.2 U1.32
Net-(U5-FB): R94.1 R95.1 U5.8
Net-(U5-PHASE): C95.2 L2.1 Q36.5 Q36.6 Q36.7 Q36.8 Q37.1 Q37.2 Q37.3 U5.6
Net-(U7-5VOut): C19.2 U7.8
Net-(U7-CPI): C21.2 U7.5
Net-(U7-CPO): C21.1 U7.4
Net-(U7-VCP): C20.1 U7.6
Net-(U8-5VOut): C24.2 U8.8
Net-(U8-CPI): C26.2 U8.5
Net-(U8-CPO): C26.1 U8.4
Net-(U8-VCP): C25.1 U8.6
Net-(U9-5VOut): C29.2 U9.8
Net-(U9-CPI): C31.2 U9.5
Net-(U9-CPO): C31.1 U9.4
Net-(U9-VCP): C30.1 U9.6
Net-(U10-5VOut): C34.2 U10.8
Net-(U10-CPI): C36.2 U10.5
Net-(U10-CPO): C36.1 U10.4
Net-(U10-VCP): C35.1 U10.6
Net-(U11-5VOUT): C42.2 R32.1 U11.5
Net-(U11-CPI): C40.1 U11.32
Net-(U11-CPO): C40.2 U11.31
Net-(U11-VCC): C43.2 R32.2 U11.29
Net-(U11-VCP): C39.1 U11.34
Net-(U12-5VOUT): C57.2 R40.1 U12.5
Net-(U12-CPI): C55.1 U12.32
Net-(U12-CPO): C55.2 U12.31
Net-(U12-VCC): C58.2 R40.2 U12.29
Net-(U12-VCP): C54.1 U12.34
Net-(U13-VDD18): C76.1 U13.10
Net-(U13-VDD33): C93.1 U13.9
Net-(U13-XIN): U13.12 Y2.1
Net-(U13-XOUT): U13.11 Y2.3
Net-(U15-FB): R92.1 R93.1 U15.8
Net-(U15-PHASE): C89.2 L1.1 Q34.5 Q34.6 Q34.7 Q34.8 Q35.1 Q35.2 Q35.3 U15.6
Net-(U16-IO2): J1.A6 J1.B6 R5.2 U16.3
Net-(U16-IO3): J1.A7 J1.B7 R4.2 U16.4

Pads without a net: H1 1; H2 1; H3 1; H4 1; H13 1; J1 A8 B8; M5 5 6; M6 5 6; U1 44 45 46 47 48 69 70 73 77 78 79 80 96 97 98 99 100 101 102 105 109 110 111; U4 1 6; U14 9 10 13; U16 1 6

## Via types
v1: diameter 0.5, hole 0.25, Top to Bottom, 535 vias
v2: diameter 0.6, hole 0.3, Top to Bottom, 154 vias

## Routing (per net, layer and track width the routed paths; a pad name or vN(x,y) marks a point on that pad's centre or on a via; arc(x,y) is an arc through that point)
+3.3V: length 362.3
  Top w0.1: 125,51.41 U1.144 ; 125,51.41 U1.143 125.25,52.25 125.75,52.75 ; 125,51.41 v1(125,51.2) ; 139.25,52.9 v1(139.25,52.85) 139.25,52.9 ; 139.25,52.9 139.7,53.35 151.23,53.35 153.6,55.72 153.6,62.55 C23.1 154.2,63.15 v1(154.22,63.15) 154.22,63.18 D22.2 154.5,64.15 R100.1 ; U1.108 v1(145.45,49.75) C82.1 ; U1.72 142.26,30.35 v1(142.57,30.35) C79.1 ; 125.75,52.75 125.75,53.08 125.15,53.68 SW1.3 ; 125.75,52.75 127.4,52.75 C85.1 ; 109.75,50.67 U11.22 v1(109.5,50.25) U11.20 ; v1(101.3,19.2) 101.05,18.95 98.63,18.95 94.33,14.65 86.05,14.65 85.45,14.05 80.34,14.05 80.14,13.85 58.07,13.85 57.5,14.42 57.5,16.45 56.9,17.05 50.15,17.05 49.31,16.21 U14.1 ; 91.75,50.67 U12.22 v1(91.5,50.25) U12.20 ; C81.1 145.35,43.25 v1(145.05,43.25) U1.95 ; C84.1 131.25,52.65 v1(131.25,52.55) U1.131 ; R102.1 141.5,64.15 D23.2 141.22,63.18 v1(141.22,63.15) 141.2,63.15 C28.1 140.6,62.55 140.6,58.07 136.25,53.72 v1(136.25,52.63) U1.121 ; 162.25,62.89 U7.10 ; 162.25,62.89 v1(162.25,63) ; 162.25,62.89 U7.9 ; 123.25,62.89 U10.10 ; 123.25,62.89 v1(123.25,63) ; 123.25,62.89 U10.9 ; R97.1 167.5,64.15 D21.2 167.22,63.18 v1(167.22,63.15) 167.2,63.15 C18.1 ; 121.1,35.45 121.3,35.25 U1.30 ; C80.1 145.35,37.75 v1(145.05,37.75) U1.84 ; 136.25,62.89 U9.10 ; 136.25,62.89 v1(136.25,63) ; 136.25,62.89 U9.9 ; 149.25,62.89 U8.9 ; 149.25,62.89 v1(149.25,63) ; 149.25,62.89 U8.10 ; C61.1 137.25,29 v1(137.25,29.38) U1.62 ; U1.39 125.75,29.78 125.42,29.45 124.58,29.45 124.2,29.83 v1(124.2,29.85) 124.18,29.85 124.15,29.88 124.15,30.05 C53.1 ; v1(123.7,47.25) U1.6 C15.1 ; C18.1 166.6,62.55 166.6,54.92 164.03,52.35 143.05,52.35 v1(142.8,52.1) ; C18.1 166.75,62.8 ; U8.15 152.3,63.5 v1(152,63.2) ; U1.52 v1(132.25,29.38) 132.25,28.85 ; R105.1 128.5,64.15 D24.2 128.22,63.18 v1(128.22,63.15) 128.2,63.15 C33.1 127.6,62.55 127.6,58.68 133.38,52.9 v1(133.75,52.9) ; D20.2 C56.2 95.4,50.9 R107.1 94.15,50.55 93.8,50.55 v1(93.5,50.85) ; U10.15 126.3,63.5 v1(126,63.2) ; v1(100.85,23.3) 101.3,23.75 101.3,24.23 101.03,24.5 100.5,24.5 R12.2 ; U1.17 v1(121.95,41.75) 121.85,41.75 C44.1 ; U7.15 165.3,63.5 v1(165,63.2) ; v1(111.5,50.8) 111.9,50.8 R106.1 113.4,50.9 C41.2 D19.2 ; U9.15 139.3,63.5 v1(139,63.2) ; v1(120.95,35.3) 120.7,35.05 119.05,35.05 C46.1
  Top w0.3: 69.75,52 v1(69.75,51.65) ; R52.2 R104.2 ; v1(52.05,54.75) 52.12,54.83 55.57,54.83 60.9,49.5 68.08,49.5 v1(68.2,49.38) 68.33,49.5 80.95,49.5 84.9,45.55 89.53,45.55 v1(89.65,45.43) 89.78,45.55 102.07,45.55 v1(102.2,45.43) 103.07,44.55 118.45,44.55 v1(118.82,44.18) ; v1(47.95,54.75) 47.88,54.83 46.6,54.83 46.18,54.4 37.8,54.4 37.75,54.35 37.75,52
  In2.Cu w0.1: v1(128.22,63.15) 128.18,63.2 v1(126,63.2) 125.8,63 v1(123.25,63) ; v1(93.5,50.85) 92.9,50.25 v1(91.5,50.25) ; v1(109.5,50.25) 110.95,50.25 v1(111.5,50.8) ; v1(141.22,63.15) 141.18,63.2 v1(139,63.2) 138.8,63 v1(136.25,63) ; v1(108.75,42) 108.12,42 107.3,41.18 106.57,41.18 v1(106.5,41.25) ; v1(149.25,63) 151.8,63 v1(152,63.2) 154.18,63.2 v1(154.22,63.15) ; v1(162.25,63) 164.8,63 v1(165,63.2) 167.18,63.2 v1(167.22,63.15)
  In2.Cu w0.3: v1(69.75,51.65) 68.2,50.1 v1(68.2,49.38) ; v1(102.2,45.43) 103.42,45.43 108.24,50.25 v1(109.5,50.25) ; v1(52.05,54.75) 51.55,55.25 48.45,55.25 v1(47.95,54.75) ; v1(91.5,50.25) 90.24,50.25 88.75,48.76 88.75,46.3 89.62,45.43 v1(89.65,45.43)
  Bottom w0.1: v1(96.75,38.1) 96.35,38.1 J6.3 ; v1(100.85,23.3) 101.15,23 101.15,19.35 v1(101.3,19.2)
  Bottom w0.5: v1(100.85,23.3) 101.3,23.75 101.3,27.22 104.68,30.6 v1(106.1,30.6) v1(106.1,32.1) 112.2,38.2
  vias: v1(114,36.5) v1(114.5,37.5) v1(114.5,37.5) v1(115.5,40.5) v1(115.5,39.5) v1(115.5,38.5) v1(117,40.5)
+5V: length 14.2
  Top w0.1: 98.65,21.25 98.35,21.25 96.45,23.15 95.1,23.15 C97.1 ; U4.5 v1(147.6,2.85) ; C98.1 161.5,11.1 161.75,11.35 v1(161.75,11.35) 161.75,11.35 162.15,11.75 162.15,12.27 162,12.42 U13.7 ; U2.5 v1(165.6,21.37) ; 170.1,44.4 170.2,44.5 U16.5 ; U3.5 v1(165.6,18) ; R95.2 85.5,23.15
  vias: v1(109,29) v1(109.5,28.5) v1(109.5,27.5) v1(109.5,26.5) v1(110,29) v1(110.5,31.5) v1(110.5,30.5) v1(110.5,29.5) v1(111,29) v1(112,29) v1(112.5,28.5) v1(112.5,27.5) v1(112.5,26.5) v1(113,29) v1(114,29) v1(171.25,45) v1(171.25,44) v1(171.25,43) v2(168.4,5.2) v2(169,5.2) v2(169.6,5.2)
+12V: length 198.1
  Top w0.1: 30.5,20.43 33.17,20.43 33.72,19.88 34.42,19.88 34.85,19.45 34.85,16.65 35.15,16.35 45.1,16.35 45.5,16.75 ; 30.5,20.43 30.4,20.43 v1(30.4,22.35) ; 30.5,20.43 28.08,20.43 R93.2 ; U12.3 U12.4 85.3,55.75 84.8,55.25 84.8,54.85 84.47,54.53 84.08,54.53 C60.2 ; v1(83.95,51.8) 83.9,51.85 83.9,53.85 C60.2 ; 101.65,53.95 C45.2 102.07,54.53 102.47,54.53 102.8,54.85 102.8,55.25 103.3,55.75 U11.4 U11.3 ; 83.65,53.95 C60.2 ; SW9.1 14.2,4.55 14.2,5.1 17.65,8.55 21.1,8.55 21.62,9.08 21.62,12.39 22.38,13.15 24.9,13.15 25.35,13.6 35.1,13.6 35.72,14.23 C90.1
  Top w0.25: v1(85.05,50.7) 85.53,51.18 87.06,51.18 87.39,51.5 92.25,51.5 v1(92.5,51.25) ; v1(96.5,50.4) 96.78,50.13 100.53,50.13 101.8,51.4 101.8,53.95 C45.2
  Top w0.3: v1(45.55,52.95) 41.24,52.95 38.89,50.6 31.65,50.6 30.25,52 ; v1(54.45,52.95) 56.03,52.95 58.57,50.42 ; 58.57,50.42 57.8,49.65 57.8,45.54 54.01,41.75 49.19,41.75 45.94,38.5 38.23,38.5 28.65,28.92 v1(28.65,23.6) 28.65,23.65 ; 58.57,50.42 60.48,48.5 63.08,48.5 v1(63.2,48.38) 63.53,48.05 68.48,48.05 68.93,48.5 80.35,48.5 v1(80.5,48.35) ; v1(62.75,51.65) 62.4,52 62.25,52
  In2.Cu w0.25: v1(96.5,50.4) 94.7,50.4 93.75,51.35 92.6,51.35 v1(92.5,51.25)
  In2.Cu w0.3: v1(80.5,48.35) 82.85,50.7 83.95,50.7 ; v1(63.2,48.38) 63.2,51.2 v1(62.75,51.65) ; 83.95,50.7 v1(85.05,50.7) ; 83.95,50.7 v1(83.95,51.8) ; v1(28.65,23.6) 29.15,23.6 v1(30.4,22.35) ; v1(45.55,52.95) 45.62,52.88 47.41,52.88 48.99,54.45 51.01,54.45 52.59,52.88 54.38,52.88 v1(54.45,52.95)
